# Altium PCB S3220B.PcbDoc (part 3 of 3)
Units mm, origin at the board's own origin, x right, y up, seen from the top; angles counter-clockwise.
Board outline 147 x 62.5 mm, 4 copper layers (Top Layer, Internal 1, Internal 2, Bottom Layer), stack 1.41 mm thick; 235 components, 191 nets, 994 pads, 1141 vias.
Unrouted connection lines stored in the file: 237.
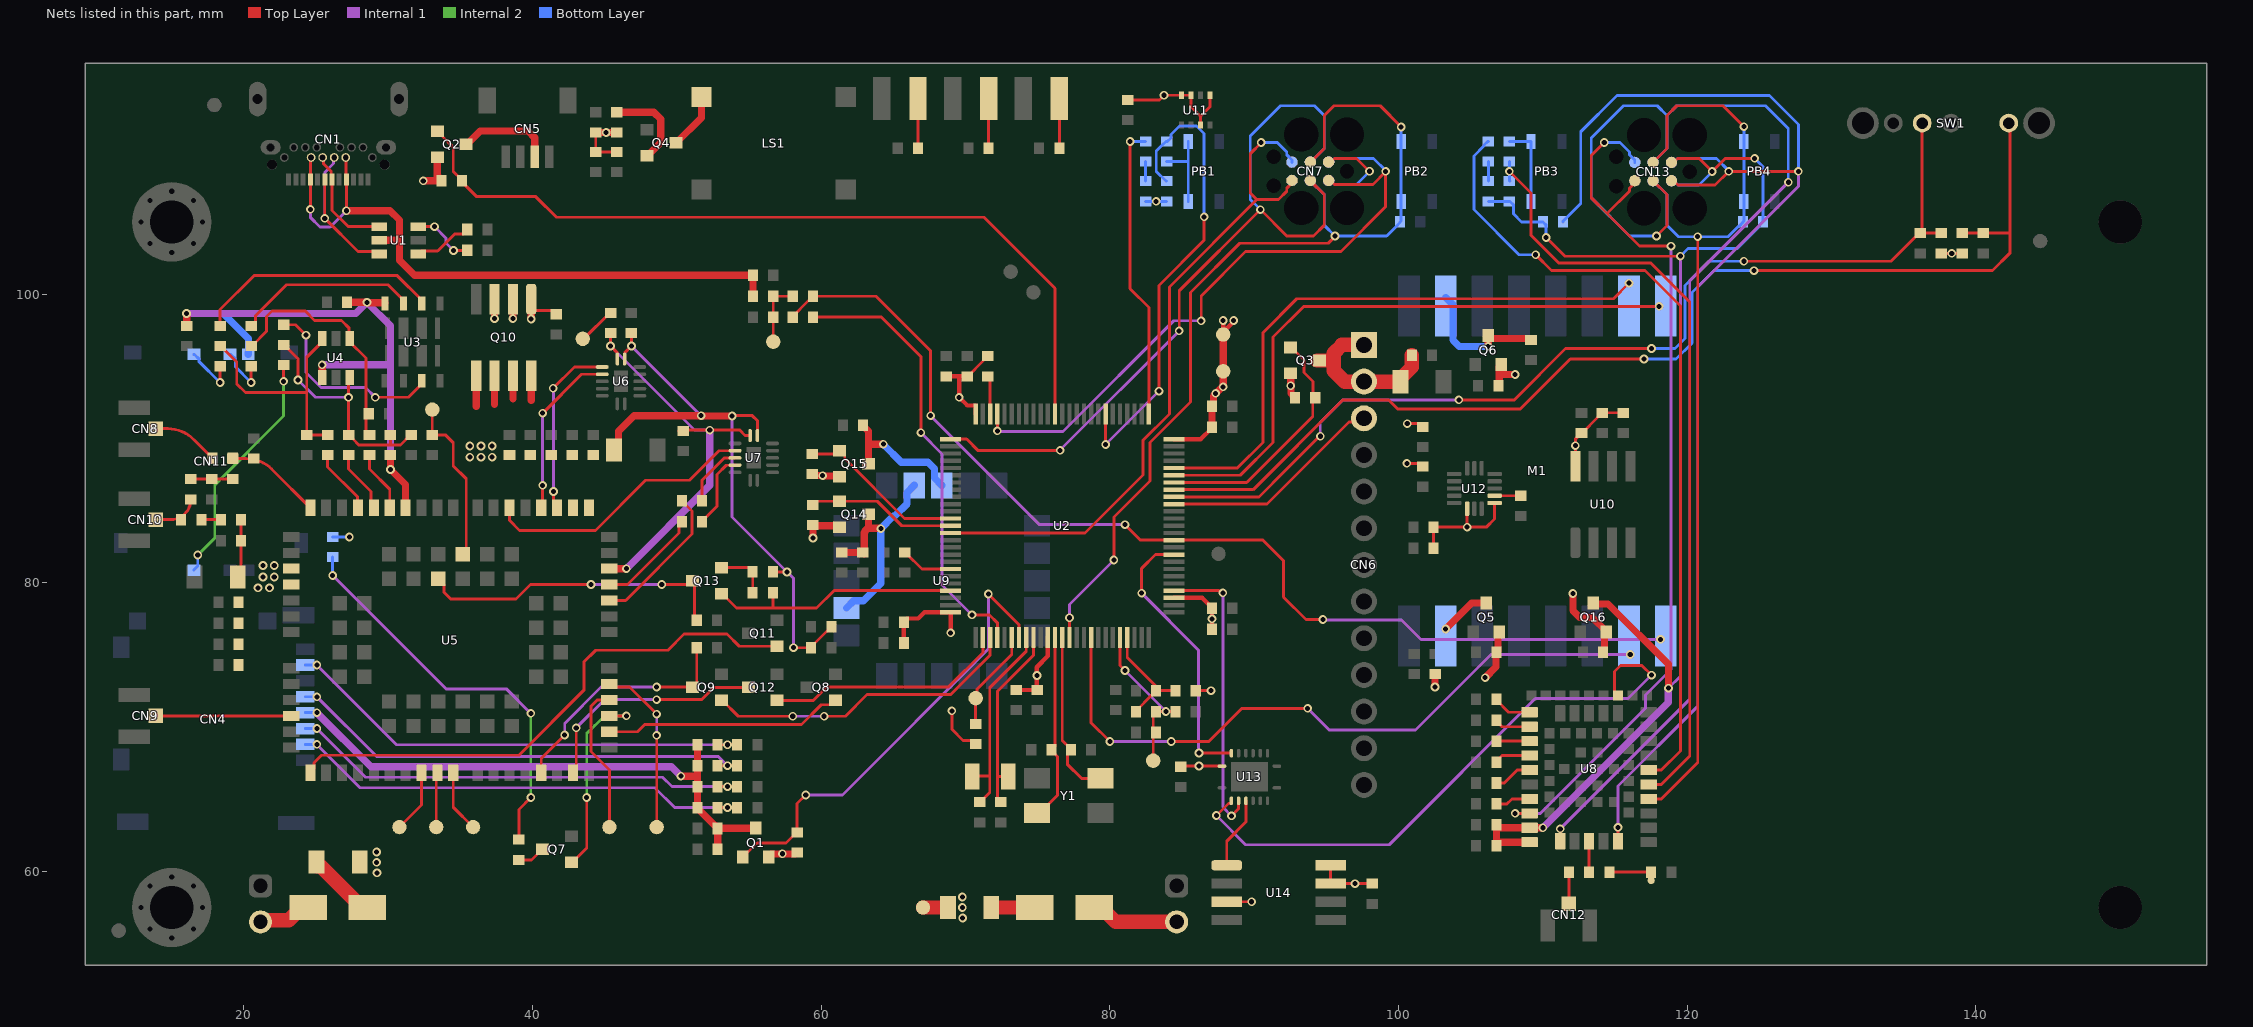
[diagram p5: the nets of this part, all layers, seen from the top]

## Via types
v1: diameter 0.6, hole 0.35, Top Layer to Bottom Layer, tented both sides, 861 vias
v2: diameter 0.5, hole 0.35, Top Layer to Bottom Layer, tented both sides, 280 vias

## Nets (pads, with @x,y where several pads share a name; then routed paths per layer and width w, separated by ;. In a path a pad name is that pad's centre, name@x,y a point inside that pad or via, vN(x,y) a via of type N, cw(c..) or ccw(c..) an arc to the next point about the centre after c; other vN are vias at no path point) (continued)
nCPU_RST_RFID: CN6.3 U2.41 | length 15.6
  Top Layer w0.2: U2.41@84.438,85.45 90.875,85.45 96.561,91.136 97.341,91.136 CN6.3@97.6,91.395
NetAN1_1: AN1.1 C49.2 R64.1 | length 3.5
  Top Layer w0.2: R64.1@114.6,59.95 C49.2@117.5,59.95 AN1.1@117.5,59.375
NetC1_2: C1.2 C2.2 CN4.4 Q1.3 R11.2 R12.2 R13.2 R14.2 | length 39.5
  Top Layer w0.5: v1(50.275,66.6) 51.425,66.6 ; R12.2@51.425,68.775 R14.2@51.425,67.325 51.425,66.6 ; C2.2@52.825,61.525 C1.2@52.825,62.975 ; Q1.3@55.475,63 55.463,62.988 52.838,62.988 C1.2@52.825,62.975 ; 51.425,66.6 R13.2@51.425,65.875 R11.2@51.425,64.425 51.425,64.375 52.675,63.125 52.725,63.125 52.825,63.025 C1.2@52.825,62.975
  Internal 1 w0.5: v1(25.05,71) 28.8,67.25 49.625,67.25 v1(50.275,66.6)
  Bottom Layer w0.2: CN4.4@24.25,71 v1(25.05,71)
NetC5_2: C5.2 C6.2 CN6.1 CN6.2 Q3.3 | length 11.5
  Top Layer w1: Q3.3@94.375,95.4 95.425,95.4 95.5,95.325 ; CN6.2@97.599,93.934 96.266,93.934 95.5,94.7 95.5,95.325 ; CN6.2@97.6,93.935 100.115,93.935 C5.2@100.125,93.925 ; CN6.1@97.6,96.475 96.075,96.475 95.5,95.9 95.5,95.325 ; C5.2@100.175,94.2 100.175,94.225 100.2,94.225 100.925,94.95 C6.2@100.925,95.775
NetC8_2: C8.2 U2.12 Y1.1 | length 13.1
  Top Layer w0.2: Y1.1@74.95,64.05 75.15,64.05 76.375,65.275 76.375,67.95 76.2,68.125 76.2,68.175 C8.2@75.95,68.425 76.2,68.675 U2.12@76.2,76.212
NetC9_2: C9.2 U2.13 Y1.3 | length 11.9
  Top Layer w0.2: U2.13@76.7,76.212 76.7,69.075 C9.2@77.3,68.475 ; C9.2@77.3,68.425 77.05,68.175 77.05,67.425 78.025,66.45 Y1.3@79.475,66.45
NetC10_2: C10.2 U2.8 Y2.1 | length 14
  Top Layer w0.2: Y2.1@70.45,66.575 70.475,66.6 71.675,66.6 ; C10.2@70.975,64.8 71.025,64.8 71.275,65.05 71.275,65.075 71.675,65.475 71.675,66.6 ; U2.8@74.2,76.212 74.2,75.25 71.675,72.725 71.675,66.6
NetC11_2: C11.2 U2.9 Y2.2 | length 13.2
  Top Layer w0.2: C11.2@72.2,64.805 72.2,66.575 ; Y2.2@72.95,66.575 72.2,66.575 ; U2.9@74.7,76.212 74.7,74.975 72.2,72.475 72.2,66.575
NetC28_1: C28.1 C30.2 R45.2 | length 2.9
  Top Layer w0.2: C28.1@16.325,87.175 16.35,87.2 R45.2@19.225,87.2
NetC28_2: C28.2 CN10.S L1.2 | length 3.2
  Top Layer w0.2: CN10.S@13.9,84.375 14.925,84.375 ccw(c14.925,85.775) C28.2@16.325,85.775
NetC29_2: C29.2 R43.1 R45.1 U5.49 | length 6.7
  Top Layer w0.2: R45.1@19.225,88.6 20.148,88.6 cw(c20.148,86.06) 21.944,87.856 U5.49@24.6,85.2
NetC37_2: C37.2 R46.2 R50.2 R51.1 R53.2 U4.3 | length 16.5
  Top Layer w0.2: R51.1@22.75,96.475 22.8,96.475 23.75,95.525 v1(23.75,94.05) ; U4.3@27.325,94.225 27.25,94.15 v1(27.25,92.85) R50.2@27.25,90.25 27.3,90.25 27.55,90 27.55,89.95 27.95,89.55 30.15,89.55 ; R53.2@30.15,90.25 30.15,89.55 ; C37.2@31.55,90.25 30.85,89.55 30.15,89.55
  Internal 1 w0.2: v1(23.75,94.05) 24.95,92.85 v1(27.25,92.85)
NetC38_2: C38.2 R44.2 R48.1 R49.2 U4.6 | length 16.8
  Top Layer w0.2: R44.2@18.35,96.4 18.4,96.4 19.5,95.3 19.5,93.775 20.1,93.175 24.35,93.175 ; U4.6@25.425,96.925 25.425,96.7 24.35,95.625 24.35,93.175 ; R49.2@25.8,90.25 C38.2@24.35,90.25 24.35,93.175
NetC39_2: C39.2 R42.2 R47.1 R52.2 U4.4 | length 16.9
  Top Layer w0.2: R42.2@20.5,96.4 20.55,96.4 21.575,97.425 21.575,98.45 21.95,98.825 24.25,98.825 24.9,98.175 26.75,98.175 27.292,97.633 27.292,96.958 U4.4@27.325,96.925 27.325,96.7 28.45,95.575 28.45,91.8 28.45,90.5 R52.2@28.7,90.25
NetC50_2: C50.2 C51.2 Q14.3 U9.2 U9.17 | length 16.1
  Top Layer w0.5: C51.2@61.425,82.1 C50.2@62.875,82.1 ; C50.2@62.975,82 62.975,83.477 63.05,83.552 63.05,83.627 63.275,83.852 ; Q14.3@63.275,84.75 63.275,83.852 ; v1(64.125,83.75) 64.106,83.769 63.358,83.769 63.275,83.852
  Bottom Layer w0.5: U9.17@61.75,78.25 62.25,78.75 62.925,78.75 64.125,79.95 v1@64.125,83.725 ; v1(64.125,83.75) 64.994,84.619 65.094,84.619 65.95,85.475 65.95,86.25 U9.2@66.45,86.75
NetC52_2: C52.2 Q15.3 U9.3 | length 9.4
  Top Layer w0.5: C52.2@62.9,90.925 62.9,90.875 63.275,90.5 63.275,89.6 ; Q15.3@63.275,88.25 63.275,89.6 ; v1(64.3,89.6) 63.275,89.6
  Bottom Layer w0.5: v1@64.319,89.581 65.55,88.35 67.4,88.35 67.85,87.9 67.85,87.25 U9.3@68.35,86.75
NetC59_1: C59.1 U12.2 | length 1.8
  Top Layer w0.2: U12.2@106.65,86.029 C59.1@108.475,86.029
NetCN2_2: CN2.2 D1.A | length 6.1
  Top Layer w1: D1.A@78.9,57.5 79.25,57.15 79.75,57.15 80.4,56.5 CN2.2@84.625,56.5
NetCN3_2: CN3.2 D2.A | length 3.7
  Top Layer w1: CN3.2@21.15,56.5 21.265,56.615 23.115,56.615 24,57.5 D2.A@24.45,57.5
NetCN4_2: CN4.2 R11.1 R20.2 | length 32.4
  Top Layer w0.2: R11.1@52.825,64.425 v1(53.5,64.425) R20.2@54.175,64.425
  Internal 1 w0.2: v1(25.05,68.8) 28.05,65.8 48.475,65.8 ; 48.491,65.784 49.85,64.425 v1(53.5,64.425)
  Bottom Layer w0.2: CN4.2@24.25,68.8 v1(25.05,68.8)
NetCN4_3: CN4.3 R13.1 R18.2 | length 32.3
  Top Layer w0.2: R13.1@52.825,65.875 v1(53.5,65.875) R18.2@54.175,65.875
  Internal 1 w0.2: v1(25.05,69.9) 28.425,66.525 49,66.525 49.65,65.875 v1(53.5,65.875)
  Bottom Layer w0.2: CN4.3@24.25,69.9 v1(25.05,69.9)
NetCN4_5: CN4.5 R14.1 R17.2 | length 32.6
  Top Layer w0.2: R14.1@52.825,67.325 v1(53.5,67.325) R17.2@54.175,67.325
  Internal 1 w0.2: v1(25.05,72.1) 29.175,67.975 52.85,67.975 v1(53.5,67.325)
  Bottom Layer w0.2: CN4.5@24.25,72.1 v1(25.05,72.1)
NetCN4_7: CN4.7 R12.1 R19.2 | length 32.9
  Top Layer w0.2: R12.1@52.825,68.775 v1(53.5,68.775) R19.2@54.175,68.775
  Internal 1 w0.2: v1(25.05,74.3) 30.575,68.775 v1(53.5,68.775)
  Bottom Layer w0.2: CN4.7@24.25,74.3 v1(25.05,74.3)
NetCN8_S: CN8.S R43.2 | length 4.7
  Top Layer w0.2: CN8.S@13.9,90.675 14.723,90.675 cw(c14.723,88.135) 16.519,89.931 R43.2@17.825,88.625
NetCN9_S: CN9.S U5.60 | length 9.4
  Top Layer w0.2: CN9.S@13.9,70.775 U5.60@23.275,70.775
NetCN11_C2: CN11.C2 R47.2 | length 3.7
  Top Layer w0.2: v1(20.5,93.875) R47.2@20.5,95
  Bottom Layer w0.2: CN11.C2@19.05,95.825 19.1,95.825 19.4,95.525 19.4,94.975 v1(20.5,93.875)
NetCN11_C3: CN11.C3 R48.2 | length 3.9
  Top Layer w0.2: R48.2@18.328,94.978 R48.2@18.35,95 v1(18.35,93.875)
  Bottom Layer w0.2: CN11.C3@16.525,95.825 16.575,95.825 16.875,95.525 16.875,95.35 v1(18.35,93.875)
NetCN11_C7: CN11.C7 R51.2 | length 16.8
  Top Layer w0.2: v1(22.75,93.95) R51.2@22.75,95.075
  Internal 2 w0.2: v1(16.8,81.925) 17.975,83.1 17.975,86.775 22.75,91.55 v1@22.75,93.925 ; v1(22.75,93.95) v1@22.75,93.975
  Bottom Layer w0.2: CN11.C7@16.525,80.875 16.8,81.15 v1(16.8,81.925)
NetCN12_S: CN12.S R65.2 | length 2.2
  Top Layer w0.2: CN12.S@111.8,57.75 R65.2@111.8,59.95
NetD1_K: D1.K F1.2 | length 3
  Top Layer w1: F1.2@71.775,57.5 D1.K@74.8,57.5
NetD2_K: D2.K F2.2 | length 5
  Top Layer w1: F2.2@25.025,60.65 25.025,60.4 25.075,60.35 25.325,60.35 27.75,57.925 27.75,57.85 28.1,57.5 D2.K@28.55,57.5
NetD3_2: D3.2 R22.1 | length 3.4
  Top Layer w0.2: R22.1@71.6,110.1 D3.2@71.6,113.55
NetD4_2: D4.2 R23.1 | length 3.5
  Top Layer w0.2: R23.1@76.5,110.1 D4.2@76.5,113.55
NetD5_2: D5.2 R24.1 | length 3.4
  Top Layer w0.2: R24.1@66.7,110.1 D5.2@66.7,113.55
NetD6_1: D6.1 R28.1 | length 1.3
  Bottom Layer w0.2: R28.1@82.475,107.825 D6.1@82.475,109.175
NetD7_2: D7.2 TP9.1 U5.75 | length 11.6
  Top Layer w0.2: TP9.1@33.05,92 D7.2@33.05,90.25 33.95,90.25 34.5,89.7 34.5,88.1 35.4,87.2 35.4,82.275 35.375,82.25 35.4,82.225 U5.75@35.15,81.975
NetD8_2: D8.2 R55.2 | length 28
  Top Layer w0.2: R55.2@39.05,62.2 39.05,64.3 v1(39.875,65.125)
  Internal 1 w0.2: v1(26.15,80.5) 34,72.65 38.175,72.65 v1(39.875,70.95)
  Internal 2 w0.2: v1(39.875,65.125) v1(39.875,70.95)
  Bottom Layer w0.2: v1(26.15,80.5) D8.2@26.15,81.775
NetD9_1: D9.1 R76.1 | length 1.3
  Bottom Layer w0.2: R76.1@106.225,107.825 D9.1@106.225,109.175
NetL1_1: L1.1 R41.2 | length 1.3
  Top Layer w0.2: L1.1@17.05,84.375 R41.2@18.4,84.375
NETLIGHT_BG95: Q7.1 U5.21 | length 13.8
  Top Layer w0.2: Q7.1@42.7,60.625 42.75,60.625 43.75,61.625 v1(43.75,65.125) ; U5.21@45.325,70.775 v1(46.5,70.775)
  Internal 2 w0.2: v1(43.75,65.125) 43.75,69.55 44.975,70.775 v1(46.5,70.775)
NetLS1_1: LS1.1 Q4.3 | length 3.9
  Top Layer w0.5: Q4.3@49.975,110.5 51.7,112.225 LS1.1@51.7,113.65
NetPB1_1: PB1.1 R32.1 | length 5.7
  Bottom Layer w0.2: R32.1@83.925,109.175 85.4,109.175 85.425,109.2 ; PB1.1@85.425,106.425 85.425,109.2 ; PB1.1@85.425,110.575 85.425,109.2
NetPB3_1: PB3.1 R77.1 | length 5.7
  Bottom Layer w0.2: R77.1@107.675,110.575 PB3.1@109.175,110.575 PB3.1@109.175,106.425
NetQ4_2: Q4.2 R26.2 | length 6.1
  Top Layer w0.5: R26.2@45.825,112.6 48.367,112.6 ; Q4.2@47.975,109.6 48.875,110.5 48.875,112.125 48.4,112.6
NetQ7_3: Q7.3 R55.1 | length 2
  Top Layer w0.2: R55.1@39.05,60.8 39.925,60.8 40.65,61.525 Q7.3@40.7,61.525
NetQ13_2: Q13.2 R59.2 R61.2 | length 3.8
  Top Layer w0.2: Q13.2@53.075,81.05 55,81.05 55.25,80.8 R59.2@55.25,80.75 R61.2@55.25,79.3
NetR1_1: R1.1 R4.2 R5.2 TP2.1 | length 4.5
  Top Layer w0.2: TP2.1@56.675,96.7 R5.2@56.675,98.4 R1.1@56.675,99.85 R4.2@58.025,99.85
NetR33_1: R33.1 U2.73 | length 2.7
  Top Layer w0.2: R33.1@71.55,94.3 71.7,94.15 U2.73@71.7,91.688
NetR34_2: R34.2 U2.94 | length 3.5
  Top Layer w0.2: R34.2@65.75,82.1 R34.2@65.775,82.125 ; R34.2@65.925,82 66.975,80.95 U2.94@68.962,80.95
NetR38_2: R38.2 TP6.1 U2.6 | length 7
  Top Layer w0.2: R38.2@70.7,70.275 TP6.1@70.7,72 70.803,72.103 70.803,72.628 73.2,75.025 U2.6@73.2,76.212
NetR42_1: R42.1 U3.C2 | length 12.7
  Top Layer w0.2: R42.1@20.5,97.8 20.55,97.8 20.8,98.05 20.8,98.5 22.95,100.65 29.975,100.65 30.895,99.73 30.9,99.73 31.05,99.58 U3.C2@31.05,99.35
NetR44_1: R44.1 U3.C3 | length 17
  Top Layer w0.2: R44.1@18.35,97.8 18.35,98.925 20.7,101.275 30.625,101.275 32.32,99.58 U3.C3@32.32,99.35
NetR46_1: R46.1 U3.C7 | length 13.8
  Top Layer w0.2: R46.1@22.75,97.875 23.575,97.875 v1(24.3,97.15) ; v1@29.075,92.85 v1(29.1,92.85) 31.4,92.85 32.32,93.77 U3.C7@32.32,94
  Internal 1 w0.2: v1(24.3,97.15) 24.3,94.575 25.35,93.525 28.425,93.525 v1(29.1,92.85)
NetR49_1: R49.1 U5.46 | length 4.5
  Top Layer w0.2: R49.1@25.8,88.85 25.8,88.025 27.867,85.958 27.867,85.233 U5.46@27.9,85.2
NetR50_1: R50.1 U5.45 | length 4.4
  Top Layer w0.2: R50.1@27.25,88.85 27.25,87.875 28.8,86.325 28.8,85.4 U5.45@29,85.2
NetR52_1: R52.1 U5.44 | length 4.2
  Top Layer w0.2: R52.1@28.7,88.85 28.7,87.875 30.1,86.475 U5.44@30.1,85.2
NetR54_2: R54.2 TP8.1 | length 2.7
  Top Layer w0.2: TP8.1@43.475,96.9 43.55,96.9 45.35,98.7 R54.2@45.4,98.7
NetR56_2: R56.2 U7.4 | length 4.4
  Top Layer w0.2: R56.2@51.75,85.675 51.75,87.125 53.274,88.649 U7.4@54.027,88.649
NetR57_2: R57.2 U7.5 | length 5.2
  Top Layer w0.2: R57.2@51.75,84.225 51.75,84.275 52.775,85.3 52.775,87.5 53.415,88.14 54.017,88.14 U7.5@54.027,88.149
NetR64_2: R64.2 R65.1 U8.13 | length 2.2
  Top Layer w0.2: R64.2@113.2,59.95 U8.13@113.2,62.1
NetR68_2: R68.2 U8.1 | length 2.7
  Top Layer w0.2: R68.2@106.775,71.925 106.775,71.875 107.625,71.025 U8.1@109.075,71.025
NetR69_2: R69.2 U8.2 | length 2.5
  Top Layer w0.2: R69.2@106.775,70.475 106.775,70.425 107.175,70.025 U8.2@109.075,70.025
NetR70_2: R70.2 U8.3 | length 2.3
  Top Layer w0.2: R70.2@106.775,69.025 U8.3@109.075,69.025
NetR71_2: R71.2 U8.4 | length 2.5
  Top Layer w0.2: R71.2@106.775,67.575 106.775,67.625 107.175,68.025 U8.4@109.075,68.025
NetR72_2: R72.2 U8.5 | length 2.7
  Top Layer w0.2: R72.2@106.775,66.125 107.325,66.125 108.225,67.025 U8.5@109.075,67.025
NetR73_2: R73.2 U8.7 | length 2.4
  Top Layer w0.2: R73.2@106.775,64.675 107.5,64.675 107.85,65.025 U8.7@109.075,65.025
NetTP10_1: TP10.1 U5.8 | length 4.4
  Top Layer w0.2: TP10.1@30.775,63.075 32.3,64.6 U5.8@32.3,66.85
NetTP11_1: TP11.1 U5.9 | length 3.8
  Top Layer w0.2: TP11.1@33.325,63.075 33.325,66.775 U5.9@33.4,66.85
NetTP12_1: TP12.1 U5.10 | length 4.3
  Top Layer w0.2: U5.10@34.5,66.85 34.5,64.45 TP12.1@35.875,63.075
NetTP13_1: TP13.1 U5.22 | length 10.4
  Top Layer w0.2: TP13.1@45.325,63.075 45.325,67.025 44.05,68.3 44.05,71.45 44.475,71.875 U5.22@45.325,71.875
NetTP14_1: TP14.1 U5.23 | length 12
  Top Layer w0.2: U5.23@45.325,72.975 45.525,72.775 46.725,72.775 v1(48.6,70.9) ; TP14.1@48.6,63.075 v1(48.6,69.425)
  Internal 1 w0.2: v1(48.6,69.425) v1(48.6,70.9)
nFLASH_CS: U13.4 U14.1 | length 5
  Top Layer w0.2: U14.1@88.092,60.425 88.092,62.092 89.417,63.417 U13.4@89.417,64.894
nFLASH_CS_BLE: U8.49 U13.2 | length 42.2
  Top Layer w0.2: v1(87.375,63.875) 88.207,64.707 88.399,64.707 88.417,64.725 U13.2@88.417,64.894 ; U8.49@115.2,72.175 114.95,72.425 114.95,73.85 115.375,74.275 116.85,74.275 v1(117.525,73.6)
  Internal 1 w0.2: v1(87.375,63.875) 89.4,61.85 99.35,61.85 109.475,71.975 115.9,71.975 v1(117.525,73.6)
nFLASH_CS_CPU: U2.29 U13.3 | length 20.4
  Top Layer w0.2: U2.29@84.438,79.45 87.567,79.45 87.717,79.3 v1(87.825,79.3) ; v1(88.425,63.85) 88.917,64.342 U13.3@88.917,64.894
  Internal 1 w0.2: v1(87.825,79.3) 87.825,64.45 v1(88.425,63.85)
nGPS_BCKP_CTRL: Q15.1 R67.1 U2.87 | length 11.8
  Top Layer w0.2: R67.1@59.375,88.925 61.05,88.925 Q15.1@61.275,89.15 61.325,89.15 61.625,88.85 61.625,88.6 65.775,84.45 U2.87@68.962,84.45
nGPS_PWR_CTRL: Q14.1 R66.1 U2.88 | length 10.3
  Top Layer w0.2: R66.1@59.425,85.4 59.675,85.65 63.875,85.65 65.575,83.95 U2.88@68.962,83.95
nLED_BLE: D9.2 U8.21 | length 55.8
  Top Layer w0.2: v1(109.5,102.725) 110.6,101.625 117.075,101.625 119.525,99.175 119.525,68.35 118.2,67.025 ; U8.21@117.325,67.025 118.15,67.025
  Bottom Layer w0.2: D9.2@106.225,110.575 106.175,110.575 105.925,110.325 105.925,110.275 105.225,109.575 105.225,105.85 108.35,102.725 v1(109.5,102.725)
nLED_CPU: D6.2 U2.51 | length 20.5
  Top Layer w0.2: v1(81.4,110.575) 81.4,100.375 82.7,99.075 U2.51@82.7,91.688
  Internal 1 w0.2: v1(81.4,110.575) v1@81.413,110.562
  Bottom Layer w0.2: v1(81.4,110.575) D6.2@82.475,110.575
nMODEM_PON_TRIG: Q13.1 R61.1 U2.97 | length 17.9
  Top Layer w0.2: Q13.1@53.075,79.25 53.125,79.25 54.125,78.25 56.7,78.25 ; R61.1@56.65,79.3 56.65,78.3 56.7,78.25 ; U2.97@68.962,79.45 60.875,79.45 59.675,78.25 56.7,78.25
nMODEM_PWRKEY: Q9.1 U2.3 | length 22.1
  Top Layer w0.2: Q9.1@53.075,71.875 53.125,71.875 54.25,70.75 v1(58.025,70.75) ; v1(60.2,70.75) 61.675,70.75 63.175,72.25 68.975,72.25 71.7,74.975 U2.3@71.7,76.212
  Internal 1 w0.2: v1(58.025,70.75) v1(60.2,70.75)
nMODEM_RESET: Q12.1 U2.2 | length 16.4
  Top Layer w0.2: Q12.1@57.25,71.85 59.45,71.85 60.375,72.775 68.8,72.775 71.2,75.175 U2.2@71.2,76.212
nMUX_EN: U2.34 U13.15 | length 19.3
  Top Layer w0.2: v1(82.2,79.275) 82.2,81 83.15,81.95 U2.34@84.438,81.95 ; v1(86.175,68.2) U13.15@88.417,68.2
  Internal 1 w0.2: v1(82.2,79.275) 86.125,75.35 v1@86.125,68.194
nPB_BLE: R75.2 R77.2 U8.20 | length 54.5
  Top Layer w0.2: v1(107.675,108.5) 109.175,107 109.175,104.075 111.1,102.15 117.475,102.15 120.175,99.45 120.175,68 118.2,66.025 U8.20@117.325,66.025
  Bottom Layer w0.2: R77.2@107.675,109.175 v1(107.675,108.5) R75.2@107.675,107.825 R75.2@107.725,107.825
nPB_CPU: R27.2 R32.2 U2.57 | length 33.3
  Top Layer w0.2: v1(79.7,89.575) U2.57@79.7,91.688 ; v1(83.4,93.275) 83.4,100.6 86.525,103.725 v1(86.525,105.35)
  Internal 1 w0.2: v1(79.7,89.575) v1(83.4,93.275)
  Bottom Layer w0.2: R27.2@83.925,107.825 83.875,107.825 83.21,108.49 83.21,109.91 83.625,110.325 83.875,110.575 R32.2@83.925,110.575 83.975,110.575 84.225,110.825 84.225,111.05 84.825,111.65 86,111.65 86.525,111.125 v1(86.525,105.35)
nPWRKEY_BG95: C47.2 Q9.3 U5.15 | length 16.8
  Top Layer w0.2: U5.15@40.6,66.85 40.6,67.825 v1(42.225,69.45) ; v1(48.6,72.775) Q9.3@51.075,72.775 51.375,73.075 C47.2@51.375,75.5
  Internal 1 w0.2: v1(42.225,69.45) 42.225,70.25 44.75,72.775 v1(48.6,72.775)
nRESET: CN13.3 PB4.2 R78.1 U8.19 | length 66.9
  Top Layer w0.2: U8.19@117.325,65.025 118.2,65.025 120.725,67.55 v1(120.725,103.975) ; CN13.3@117.635,109.125 118.6,110.09 118.6,112.375 119.275,113.05 122.475,113.05 v1(123.925,111.6)
  Bottom Layer w0.2: CN13.3@117.635,107.855 118.6,106.89 118.6,104.775 119.4,103.975 122.825,103.975 123.55,104.7 123.6,104.7 123.85,104.95 R78.1@123.85,105 123.925,105.075 PB4.2@123.925,106.425 PB4.2@123.925,110.575 v1(123.925,111.6)
nRESET_BG95: Q12.3 U5.17 | length 16.6
  Top Layer w0.2: U5.17@42.8,66.85 43.025,67.075 v1(43.025,69.95) ; v1(48.6,71.9) 51.7,71.9 52.55,72.75 Q12.3@55.25,72.75
  Internal 1 w0.2: v1(43.025,69.95) 44.975,71.9 v1(48.6,71.9)
nRFID_PWR_CTRL: Q3.1 R21.2 U2.44 | length 17
  Top Layer w0.2: U2.44@84.438,86.95 89.475,86.95 94.05,91.525 R21.2@94.05,92.854 ; Q3.1@92.525,96.3 92.575,96.3 93.45,95.425 93.45,94.575 94.075,93.95 R21.2@94.075,92.825
nRST_CPU: C7.2 CN7.3 PB2.2 U2.14 | length 65
  Top Layer w0.2: U2.14@77.2,76.212 v1@77.2,77.475 ; v1(80.275,81.575) 80.275,84.55 82.775,87.05 82.775,89.725 85.575,92.525 85.575,100.1 89,103.525 95.125,103.525 v1@95.625,104.025 ; CN7.3@93.885,109.125 94.85,110.09 94.85,112.375 95.525,113.05 98.725,113.05 v1@100.175,111.6
  Internal 1 w0.2: v1(77.2,77.575) 77.2,78.5 v1(80.275,81.575) ; v1@95.55,103.975 v1(95.6,104.025)
  Bottom Layer w0.2: CN7.3@93.885,107.855 94.85,106.89 94.85,104.775 v1(95.6,104.025) 99.175,104.025 99.85,104.7 100.1,104.95 C7.2@100.1,105 100.175,105.075 PB2.2@100.175,110.575 v1@100.175,111.6
  other v1: 100.175,111.575
nSD_PWR_CTRL: Q1.1 R7.2 U2.7 | length 31.9
  Top Layer w0.2: Q1.1@54.575,61 54.575,61.05 54.875,61.35 54.925,61.35 55.55,61.975 57.55,61.975 58.275,62.7 R7.2@58.325,62.7 58.325,64.7 v1(58.925,65.3) ; v1(71.575,79.225) 73.688,77.112 73.688,76.224 U2.7@73.7,76.212
  Internal 1 w0.2: v1(58.925,65.3) 61.475,65.3 71.575,75.4 v1(71.575,79.225)
nSWITCH_1: C3.2 R8.1 SW1.1 U2.43 | length 79.6
  Top Layer w0.2: U2.43@84.438,86.45 89.925,86.45 96.15,92.675 99.3,92.675 99.925,92.05 108.45,92.05 111.9,95.5 v1(117,95.5) ; v1(124.625,101.625) 141.15,101.625 142.35,102.825 142.35,104.225 ; R8.1@139.05,104.225 C3.2@140.5,104.225 142.35,104.225 ; SW1.1@142.275,111.85 142.35,111.775 142.35,104.225
  Bottom Layer w0.2: v1(117,95.5) 119.225,95.5 120.325,96.6 120.325,100.1 121.85,101.625 v1(124.625,101.625)
nSWITCH_2: C4.2 R9.1 SW1.3 U2.42 | length 70.9
  Top Layer w0.2: U2.42@84.438,85.95 90.325,85.95 92.175,87.8 v1@94.525,90.15 ; v1(104.175,92.675) 108.025,92.675 111.575,96.225 v1(117.525,96.225) ; v1(123.925,102.275) 134.125,102.275 135.825,103.975 135.9,103.975 C4.2@136.15,104.225 ; SW1.3@136.275,111.85 136.275,104.225 R9.1@137.6,104.225
  Internal 1 w0.2: v1(94.575,90.15) 94.575,91.1 96.15,92.675 v1(104.175,92.675)
  Bottom Layer w0.2: v1(117.525,96.225) 119.15,96.225 119.85,96.925 119.85,100.6 121.525,102.275 v1(123.925,102.275)
PC2: M1.10 U2.17 | length 47.5
  Top Layer w0.2: U2.17@78.7,76.212 78.7,70.3 v1(80,69) ; v1(84.25,69) 86.85,69 89.15,71.3 v1(93.7,71.3)
  Internal 1 w0.2: v1(80,69) v1(84.25,69) ; v1(93.7,71.3) 95.2,69.8 101.175,69.8 106.4,75.025 v1(116.05,75.025)
PE14: M1.8 U2.45 | length 42.7
  Top Layer w0.2: U2.45@84.438,87.45 89.032,87.45 91.3,89.718 91.3,97.025 93.425,99.15 v1(118.05,99.15)
PE15: M1.7 U2.46 | length 41.3
  Top Layer w0.2: U2.46@84.438,87.95 88.825,87.95 90.6,89.725 90.6,97.325 92.95,99.675 114.88,99.675 v1(115.965,100.76)
PON_TRIG_BG95: Q13.3 R63.1 U5.96 | length 21.6
  Top Layer w0.2: U5.96@33.45,80.275 33.85,79.875 33.85,79.35 34.325,78.875 38.85,78.875 39.85,79.875 v1(44.05,79.875) ; v1(48.95,79.875) 51.217,79.875 51.217,77.558 R63.1@51.375,77.4
  Internal 1 w0.2: v1(44.05,79.875) v1(48.95,79.875)
PSM_IND_BG95: Q11.1 U5.1 | length 38.1
  Top Layer w0.2: U5.1@24.6,66.85 24.85,67.1 24.85,67.525 25.375,68.05 39.05,68.05 43.55,72.55 43.55,74.5 44.375,75.325 49.375,75.325 50.5,76.45 53.475,76.45 54.325,75.6 Q11.1@56.95,75.6
QWIIC_PWR_CTRL: Q2.1 R10.1 U2.64 | length 57.2
  Top Layer w0.2: Q2.1@33.4,111.275 33.45,111.275 33.75,110.975 33.75,110.925 34.5,110.175 34.5,108.5 R10.1@35.1,107.9 ; R10.1@35.025,107.85 R10.1@35.062,107.813 ; R10.1@35.05,107.8 R10.1@35.063,107.813 ; R10.1@35.1,107.85 R10.1@35.063,107.813 ; U2.64@76.2,91.688 76.2,100.4 71.275,105.325 41.65,105.325 40.225,106.75 36.125,106.75 R10.1@35.063,107.813
QWIIC_VDD: CN5.2 Q2.3 | length 6.6
  Top Layer w0.5: Q2.3@35.4,110.375 35.45,110.375 36.375,111.3 39.675,111.3 40.15,110.825 CN5.2@40.15,109.525
RTS_BG95: U5.37 U7.3 | length 19.1
  Top Layer w0.2: U5.37@38.4,85.2 38.4,84.325 39.1,83.625 44.35,83.625 47.825,87.1 50.867,87.1 52.917,89.149 U7.3@54.027,89.149
RXD_BG95: U5.34 U6.2 | length 12.4
  Top Layer w0.2: v1(41.425,93.475) 42.9,94.95 U6.2@44.825,94.95 ; v1(41.45,86.325) 41.45,85.45 U5.34@41.7,85.2
  Internal 1 w0.2: v1(41.425,93.475) 41.438,93.462 41.438,86.337 v1(41.45,86.325)
RXD_GNSS_BG95: R57.1 U5.28 | length 7
  Top Layer w0.2: U5.28@45.325,79.875 46.575,79.875 50.15,83.45 50.15,83.925 50.256,84.031 R57.1@50.356,84.031
STATUS_BG95: Q8.1 U5.20 | length 16.6
  Top Layer w0.2: U5.20@45.325,69.675 47.275,69.675 47.775,70.175 58.625,70.175 60,71.55 60.7,71.55 Q8.1@61,71.85
SWDCLK: CN13.4 U8.11 | length 89.7
  Top Layer w0.2: U8.11@111.2,62.1 v1(111.2,62.95) ; CN13.4@117.635,107.855 118.6,106.89 118.6,104.75 v1(117.875,104.025)
  Internal 1 w0.2: v1(111.2,62.95) 120.175,71.925 120.175,100.925 v1(127,107.75)
  Bottom Layer w0.2: CN13.4@117.635,109.125 118.6,110.09 118.6,112.375 ; v1(117.875,104.025) 116,104.025 113.35,106.675 113.35,110.825 115.575,113.05 117.925,113.05 118.6,112.375 ; v1(127,107.75) 127,111.475 125.425,113.05 119.275,113.05 118.6,112.375
SWDCLK_CPU: CN7.4 U2.76 | length 54.6
  Top Layer w0.2: U2.76@68.962,89.95 70.075,89.95 70.875,89.15 76.525,89.15 v1(76.55,89.175) ; v1(84.8,97.45) 84.8,100.225 v1@90.429,105.854 ; v1(90.425,105.85) 92.25,104.025 94.1,104.025 94.85,104.775 94.85,106.89 CN7.4@93.885,107.855
  Internal 1 w0.2: v1(76.55,89.175) 76.55,89.188 84.8,97.437 v1(84.8,97.45)
  Bottom Layer w0.2: v1(90.425,105.85) 89.725,106.55 89.725,110.95 91.825,113.05 94.175,113.05 94.85,112.375 94.85,110.09 CN7.4@93.885,109.125
SWDIO: CN13.2 R79.1 U8.15 | length 92
  Top Layer w0.2: U8.15@115.2,62.1 v1@115.2,63.025 ; CN13.2@119.036,107.825 119.075,107.825 119.35,107.55 121.925,107.55 v1(122.875,108.5) v1(127.7,108.5)
  Internal 1 w0.2: v1(115.2,63.05) 115.2,65.925 120.725,71.45 120.725,100.5 127.7,107.475 v1(127.7,108.5)
  Bottom Layer w0.2: R79.1@111.4,105 111.4,105.05 112.625,106.275 112.625,111.25 115.125,113.75 125.7,113.75 127.7,111.75 v1(127.7,108.5) ; CN13.2@119.036,109.125 119.316,109.405 122.02,109.405 122.875,108.55 v1(122.875,108.5)
SWDIO_CPU: CN7.2 U2.72 | length 46.6
  Top Layer w0.2: v1(72.2,90.525) U2.72@72.2,91.688 ; v1(86.325,98.15) 86.325,99.875 89.4,102.95 96,102.95 99.1,106.05 v1@99.1,108.475 ; CN7.2@95.286,107.825 95.341,107.825 95.566,107.6 98.225,107.6 v1@99.1,108.475 ; v1(99.1,108.5) v1@99.1,108.475
  Internal 1 w0.2: v1(72.2,90.525) 72.25,90.475 76.75,90.475 84.425,98.15 v1(86.325,98.15)
  Bottom Layer w0.2: CN7.2@95.286,109.125 95.566,109.405 98.27,109.405 99.125,108.55 v1@99.125,108.5
SWO: CN13.6 U8.8 | length 62.9
  Top Layer w0.2: v1(108.075,64.025) U8.8@109.075,64.025 ; v1(114.25,110.5) 113.35,109.6 113.35,106.675 114.448,105.577 ; CN13.6@116.365,107.855 116.365,107.696 116,107.331 116,107.13 114.448,105.577 ; v1(118.875,103.325) 116.7,103.325 114.448,105.577
  Internal 1 w0.2: v1(108.075,64.025) 109.825,64.025 117.1,71.3 117.1,72.225 118.875,74 v1(118.875,103.325)
  Bottom Layer w0.2: v1@114.2,110.5 v1(114.25,110.5) 115.35,110.5 116,109.85 116,109.649 116.365,109.284 CN13.6@116.365,109.125
SWO_CPU: CN7.6 U2.89 | length 47.9
  Top Layer w0.2: U2.89@68.962,83.45 78.275,83.45 82.3,87.475 82.3,89.875 84.125,91.7 84.125,100.5 90.175,106.55 ; v1@90.5,110.5 89.725,109.725 89.725,107 90.175,106.55 ; CN7.6@92.615,107.855 92.615,107.696 92.25,107.331 92.25,107.13 91.67,106.55 90.175,106.55
  Bottom Layer w0.2: v1@90.45,110.5 91.6,110.5 92.25,109.85 92.25,109.649 92.615,109.284 CN7.6@92.615,109.145 CN7.6@92.615,109.125
  other v1: 90.475,110.5
TXD_BG95: U5.35 U6.3 | length 11.8
  Top Layer w0.2: U5.35@40.6,85.2 40.7,85.3 v1(40.7,86.75) ; v1(40.7,91.75) 43.399,94.449 U6.3@44.827,94.449
  Internal 1 w0.2: v1(40.7,86.75) v1(40.7,91.75)
TXD_GNSS_BG95: R56.1 U5.27 | length 10.2
  Top Layer w0.2: U5.27@45.325,78.775 46.45,78.775 51.05,83.375 51.05,84.975 R56.1@50.35,85.675
USB_C_DM: CN1.A7 CN1.B7 U1.6 | length 11.9
  Top Layer w0.2: CN1.A7@25.6,107.925 v1(25.6,105.25) 27.9,102.95 29.2,102.95 U1.6@29.375,102.775
  Internal 1 w0.2: v1(25.6,105.25) 25.6,108.425 26.213,109.038 26.213,109.413 CN1.B7@26.25,109.45
USB_C_DP: CN1.A6 CN1.B6 U1.4 | length 7.6
  Top Layer w0.2: CN1.B6@25.45,109.45 25.527,109.373 25.527,109.023 26.05,108.5 CN1.A6@26.05,107.975 ; CN1.A6@26.1,107.925 26.1,105.8 27.225,104.675 U1.4@29.375,104.675
USB_DM: R30.1 U1.1 | length 4.1
  Top Layer w0.2: U1.1@32.075,102.775 32.275,102.975 32.617,102.975 33.425,102.975 34.625,104.175 35.225,104.175 35.475,104.425 R30.1@35.475,104.475
USB_DP: R31.1 U1.3 | length 4.3
  Top Layer w0.2: U1.3@32.075,104.675 v1(33.2,104.675) ; v1(34.525,103.025) R31.1@35.475,103.025
  Internal 1 w0.2: v1(33.2,104.675) 34,103.875 34,103.55 v1(34.525,103.025)
USB_INT: R3.1 U2.4 | length 30.9
  Top Layer w0.2: R3.1@59.425,98.4 64.15,98.4 ; 64.175,98.4 66.9,95.675 v1(66.9,90.4) ; v1(70.45,77.775) 71.65,77.775 72.2,77.225 U2.4@72.2,76.212
  Internal 1 w0.2: v1(66.9,90.4) 68.375,88.925 68.375,79.85 v1(70.45,77.775)
USIM_VDD: C26.2 C31.2 CN11.C1 R53.1 U3.C1 U4.1 U5.43 | length 44.5
  Top Layer w0.5: v1(16.025,98.65) 16.038,98.637 16.038,97.812 C31.2@16.05,97.8 ; U4.1@25.425,94.225 v1@25.425,95.075 ; C26.2@27.15,99.45 27.163,99.437 28.513,99.437 v1(28.525,99.425) 28.544,99.406 29.78,99.406 U3.C1@29.78,99.35 ; R53.1@30.15,88.85 v1(30.15,87.85) 31.2,86.8 U5.43@31.2,85.2
  Internal 1 w0.5: v1(16.025,98.65) 27.75,98.65 v1(28.525,99.425) 30.15,97.8 30.15,95.25 ; v1(25.425,95.1) 30,95.1 30.15,95.25 ; v1(30.15,87.85) 30.15,95.25
  Bottom Layer w0.5: v1(16.025,98.65) 18.575,98.65 20.313,96.913 20.313,95.975 20.3,95.962 CN11.C1@20.3,95.825
VBUS_AIN: M1.9 R3.2 R4.1 U2.36 | length 74.7
  Top Layer w0.2: R3.2@58.025,98.4 58.025,98.45 59.125,99.55 59.175,99.55 59.425,99.8 R4.1@59.425,99.85 63.775,99.85 ; 63.8,99.85 67.575,96.075 v1(67.575,91.575) ; v1(81.05,84.025) 82.125,82.95 U2.36@84.438,82.95 90.6,82.95 92.025,81.525 92.025,79 93.575,77.45 v1(94.75,77.45)
  Internal 1 w0.2: v1(67.575,91.575) 75.125,84.025 v1(81.05,84.025) ; v1(94.75,77.45) 94.775,77.425 100.2,77.425 101.55,76.075 v1(118.15,76.075)
VBUS_C: CN1.A4 CN1.A9 CN1.B4 CN1.B9 R1.2 R29.1 U1.5 | length 45.5
  Top Layer w0.2: v1@24.6,105.9 CN1.A9@24.6,107.925 ; CN1.A9@24.625,107.95 24.625,109.425 CN1.B4@24.65,109.45 ; CN1.B9@27.05,109.45 27.075,109.425 CN1.A4@27.075,107.95 ; v1(27.1,105.775) CN1.A4@27.1,107.925
  Top Layer w0.5: v1(27.1,105.775) 30.125,105.775 30.775,105.125 30.775,103.725 30.775,102.35 31.825,101.3 R29.1@55.275,101.3 R1.2@55.275,99.85 ; U1.5@29.375,103.725 30.75,103.725
  Internal 1 w0.2: v1(24.6,105.875) 24.6,105.325 25.275,104.65 25.975,104.65 v1(27.1,105.775)
VCC_M1: C25.2 M1.2 Q6.3 | length 9.6
  Top Layer w0.5: v1(106.21,96.375) Q6.3@106.21,97.075 ; Q6.3@106.21,97.125 Q6.3@106.21,97.075 ; C25.2@109.175,96.825 109.075,96.925 106.36,96.925 Q6.3@106.21,97.075
  Bottom Layer w0.5: M1.2@103.265,99.76 103.765,99.26 103.765,96.81 104.2,96.375 v1@106.225,96.375
VDD: C13.2 C14.2 C15.2 C16.2 C17.2 C18.2 C19.2 C20.2 C21.2 C22.2 C55.1 C56.2 C57.2 C58.1 C60.1 C61.2 CN7.1 F1.1 F2.1 FB1.2 Q1.2 Q2.2 Q3.2 Q5.2 Q6.2 Q10.1 Q10.2 Q10.3 Q14.2 Q15.2 Q16.2 R2.2 R7.1 R8.2 R9.2 R10.2 R15.2 R16.2 R21.1 R25.2 R26.1 R27.1 R28.2 R33.2 R38.1 R39.2 R40.1 R60.2 R66.2 R67.2 R74.2 R80.2 R81.2 R82.1 R83.1 TP1.1 U2.11 U2.28 U2.50 U2.75 U2.100 U10.8 U11.2 U11.5 U11.6 U11.8 U12.1 U12.14 U13.16 U14.3 U14.7 U14.8 Z1.1 Z1.2 | length 120.4
  Top Layer w0.2: Q10.1@39.905,99.094 40.149,98.85 41.375,98.85 R60.2@41.625,98.6 ; R25.2@44.375,111.2 R15.2@44.375,109.85 R16.2@45.825,109.85 ; v1(69.05,71.125) 69.05,69.85 69.825,69.075 70.45,69.075 R38.1@70.7,68.825 ; C20.2@70.1,94.3 70.15,94.3 71.25,95.4 71.25,95.45 71.5,95.7 R33.2@71.55,95.7 ; C55.1@81.225,113.45 83.425,113.45 v1(83.75,113.775) U11.5@84.975,113.775 U11.6@85.625,113.775 85.625,112.975 86.275,112.325 ; C60.1@84.9,67.25 84.95,67.3 v1(86.175,67.3) U13.16@87.767,67.3 ; FB1.2@85.95,72.525 v1@86.975,72.525 ; U11.2@86.275,111.725 86.275,112.325 ; U11.8@86.925,113.775 86.925,112.975 86.275,112.325 ; U14.3@88.092,57.9 v1(89.825,57.9) ; CN7.1@95.155,109.125 95.286,109.125 95.566,109.405 97.085,109.405 v1@97.988,108.503 ; U14.8@95.992,60.425 U14.8@95.292,60.425 U14.7@95.292,59.15 v1(96.975,59.15) C61.2@98.175,59.15 ; v1@97.975,108.49 v1@97.988,108.503 ; v1@97.995,108.495 v1@97.988,108.502 ; v1(100.575,88.275) 101.45,88.275 R82.1@101.675,88.05 ; v1(100.6,91.025) 101.4,91.025 R83.1@101.5,90.925 ; C58.1@102.425,82.375 C57.2@102.425,83.85 v1(104.751,83.85) ; U12.14@104.751,85.13 v1(104.751,83.85) ; U12.1@106.65,85.529 106.65,84.425 106.075,83.85 v1(104.751,83.85) ; U10.8@112.245,88.075 112.245,89.945 112.375,90.075 112.375,90.125 112.625,90.375 C56.2@112.675,90.375 112.725,90.375 113.825,91.475 113.825,91.525 114.075,91.775 R80.2@114.125,91.775 R81.2@115.575,91.775 ; R9.2@137.6,102.825 R8.2@139.05,102.825
  Top Layer w0.3: C22.2@65.725,75.825 65.725,77.325 65.925,77.525 66.101,77.525 66.725,77.525 67.15,77.95 U2.100@68.962,77.95 v1@68.962,76.538 ; C19.2@68.65,94.3 69.55,94.3 ; C20.2@70.1,94.3 69.55,94.3 ; U2.75@70.7,91.688 70.7,92.276 70.124,92.276 v1(69.55,92.85) 69.55,94.3 ; C13.2@73.5,72.575 C14.2@74.95,72.575 ; C14.2@74.925,72.575 74.925,74.15 75.7,74.925 U2.11@75.7,76.212 ; U2.28@84.438,78.95 86.4,78.95 87.075,78.275 C16.2@87.075,78.225 C15.2@87.075,76.775 ; U2.50@84.438,89.95 86.3,89.95 87.075,90.725 C17.2@87.075,90.775 ; Z1.1@87.85,97.2 87.85,97.389 v1(87.85,98.175) ; Z1.1@87.872,97.391 88.575,98.094 v1(88.575,98.175)
  Top Layer w0.5: v1(32.425,107.85) R10.2@33.7,107.85 33.7,107.9 33.4,108.2 Q2.2@33.4,109.475 ; v1(37.365,98.3) Q10.3@37.365,99.65 ; v1(38.635,98.3) Q10.2@38.635,99.65 ; v1(39.905,98.275) 39.905,99.094 Q10.1@39.905,99.65 ; R25.2@44.375,111.2 v1(45.1,111.2) R26.1@45.825,111.2 ; Q1.2@56.375,61 56.375,61.05 56.525,61.2 58.225,61.2 R7.1@58.325,61.3 ; R67.2@59.375,87.525 59.475,87.425 v1(60.1,87.425) 60.119,87.406 61.219,87.406 Q15.2@61.275,87.35 ; v1@59.425,83.125 R66.2@59.425,84 59.475,83.95 61.175,83.95 Q14.2@61.275,83.85 ; C17.2@87.075,90.775 C18.2@87.075,92.225 87.168,92.318 87.168,92.943 87.85,93.625 Z1.2@87.85,94.65 Z1.1@87.85,97.2 87.85,96.613 ; Q3.2@92.525,94.5 v1(92.525,93.65) 92.544,93.631 92.544,93.106 92.675,92.975 92.725,92.975 92.825,92.875 R21.1@92.825,92.825 ; v1(102.525,72.775) R2.2@102.525,73.675 ; v1(106,73.425) 106.748,74.173 R39.2@106.748,75.173 ; R39.2@106.8,75.175 106.888,75.262 106.888,76.512 Q5.2@106.975,76.6 ; R40.1@106.91,93.65 106.975,93.715 106.975,94.425 ; Q6.2@107.11,95.125 106.975,94.99 106.975,94.425 ; v1(108.075,94.425) 106.975,94.425 ; v1@112.075,79.19 112.075,78.075 112.55,77.6 113.425,77.6 114.375,76.65 Q16.2@114.375,76.6 114.275,76.5 114.275,75.25 R74.2@114.2,75.175
  Top Layer w1: TP1.1@67.05,57.5 F1.1@68.775,57.5
  Bottom Layer w0.2: R28.2@82.475,106.425 R27.1@83.925,106.425 ; CN7.1@95.155,107.875 95.286,107.875 95.566,107.595 97.085,107.595 v1@97.988,108.497 ; v1@97.975,108.51 v1@97.988,108.497 ; v1@97.995,108.505 v1@97.988,108.497
  other v1: 69.8,56.775 69.775,57.5 69.775,58.225 29.225,59.9 29.2,60.625 57.3,61.225 29.2,61.35 87,72.525 74.95,73.575 68.962,76.525 87.075,77.5 112.075,79.25 59.425,83.1 112.245,89.5 87.325,93.125 87.85,93.575 138.325,102.825 83.2,106.425 97.98,108.51
VDD_BLE: C53.2 C54.2 CN13.1 Q16.3 R75.1 R76.2 R78.2 R79.2 U8.9 U8.10 | length 95.9
  Top Layer w0.2: v1(110.225,103.925) 111.525,102.625 v1(119.525,102.625) ; CN13.1@118.905,109.125 119.036,109.125 119.316,109.405 120.835,109.405 v1@121.737,108.502 ; v1(121.725,108.49) v1@121.738,108.502 ; v1@121.745,108.495 v1@121.738,108.502 ; v1(124.675,109.4) 122.635,109.4 v1@121.738,108.502
  Top Layer w0.5: U8.10@109.075,62.025 106.775,62.025 106.775,63.025 U8.9@109.075,63.025 v1(110,63.025) ; Q16.3@113.475,78.6 113.543,78.532 114.518,78.532 118.7,74.35 v1(118.7,72.7)
  Internal 1 w0.2: v1(118.7,72.7) 119.525,73.525 v1(119.525,102.625)
  Internal 1 w0.5: v1(110,63.025) 118.681,71.706 118.681,72.681 v1(118.7,72.7)
  Bottom Layer w0.2: R76.2@106.225,106.425 R75.1@107.675,106.425 107.725,106.425 107.975,106.175 107.975,105.55 108.525,105 R79.2@110,105 110.225,104.775 v1(110.225,103.925) ; CN13.1@118.905,107.855 119.045,107.855 119.35,107.55 120.81,107.55 v1@121.75,108.49 ; v1(119.525,102.625) 120.05,103.15 123.475,103.15 125,104.675 125,104.75 R78.2@125.25,105 125.25,108.825 v1(124.675,109.4)
VDD_EXT: C45.1 R54.1 U5.29 U6.1 U7.1 | length 29.4
  Top Layer w0.2: R54.1@45.4,97.3 v1(45.4,96.4) 45.865,95.935 45.865,95.51 U6.1@45.875,95.5 ; C45.1@50.125,90.525 50.175,90.575 C45.1@50.175,90.6 ; C45.1@50.425,90.525 50.475,90.575 v1(52.275,90.575) 54.35,90.575 54.725,90.2 U7.1@55.075,90.2
  Top Layer w0.5: U5.29@45.32,80.97 U5.29@45.325,80.975 v1(46.5,80.975)
  Internal 1 w0.2: v1(45.4,96.4) 51.225,90.575 v1(52.275,90.575)
  Internal 1 w0.5: v1(46.5,80.975) 52.275,86.75 v1(52.275,90.575)
VDD_M1: M1.15 Q5.3 | length 3.6
  Top Layer w0.5: v1(103.265,76.8) 105.065,78.6 Q5.3@106.075,78.6
VDD_MODEM: C27.2 C32.2 C33.2 C34.1 C35.2 C36.2 C40.2 C41.2 C42.1 C43.2 C44.2 C46.1 C48.2 D8.1 Q10.5 Q10.6 Q10.7 Q10.8 R41.1 R58.1 R59.1 R62.1 U5.32 U5.33 U5.52 U5.53 U6.14 U7.14 | length 55.4
  Top Layer w0.2: C32.2@19.8,80.7 R41.1@19.8,84.375 ; U6.14@46.375,95.5 46.385,95.51 46.385,95.935 v1(46.85,96.4) ; v1@46.85,96.314 v1(46.85,96.4) ; C46.1@46.85,97.3 v1(46.85,96.4) ; v1(53.825,91.55) 53.85,91.575 55.225,91.575 55.575,91.225 U7.14@55.575,90.227 ; R59.1@56.65,80.75 v1(57.625,80.75) ; v1@58.25,75.5 R58.1@59.3,75.5 59.3,75.55 60.4,76.65 60.45,76.65 60.7,76.9 R62.1@60.7,76.95
  Top Layer w0.5: 36.095,92.205 Q10.5@36.095,94.35 ; Q10.6@37.325,94.31 Q10.6@37.365,94.35 37.365,92.36 ; 38.635,92.74 Q10.7@38.635,94.35 ; 39.905,92.63 Q10.8@39.905,94.35 ; C40.2@45.95,89.475 45.95,90.5 47.025,91.575 v1(51.675,91.575) 51.688,91.562 53.813,91.562 v1(53.825,91.55)
  Internal 1 w0.2: v1@46.862,96.388 v1(51.675,91.575) ; v1(53.825,91.55) 53.825,84.55 v1(57.625,80.75) 57.642,80.75 58.075,80.317 v1(58.075,75.5)
  Bottom Layer w0.2: D8.1@26.15,83.175 v1(27.3,83.175)
  other v1: 20.975,79.65 21.775,79.65 21.325,80.4 22.1,80.4 21.325,81.2 22.1,81.2 35.65,88.7 36.425,88.7 37.2,88.7 35.65,89.475 36.425,89.475 37.2,89.475
VDDA: C12.2 FB1.1 R36.2 U2.22 | length 7.7
  Top Layer w0.2: U2.22@81.2,76.212 81.2,74.825 C12.2@83.2,72.825 ; R36.2@81.8,71.075 81.8,71.125 82.9,72.225 82.95,72.225 83.2,72.475 C12.2@83.2,72.525 ; C12.2@83.2,72.575 C12.2@83.2,72.525 ; FB1.1@84.55,72.525 C12.2@83.2,72.525
VREF: C23.2 C24.2 R36.1 TP7.1 U2.21 | length 11.3
  Top Layer w0.2: U2.21@80.7,76.212 80.7,74.275 v1(81.05,73.925) ; TP7.1@83,67.675 R36.1@83,70.925 ; R36.1@83,70.875 R36.1@83.2,71.075 v1(83.875,71.075) C23.2@84.55,71.075
  Internal 1 w0.2: v1(81.05,73.925) 81.05,73.913 83.875,71.088 v1(83.875,71.075)
pads on no net: CN1. CN1.A2 CN1.A3 CN1.A5 CN1.A8 CN1.A10 CN1.A11 CN1.B2 CN1.B3 CN1.B5 CN1.B8 CN1.B10 CN1.B11 CN1.S1@30.752,113.515 CN1.S2@20.952,113.515 CN1.S3@29.852,110.165 CN1.S4@21.852,110.165 CN4.1 CN4.8 CN4.9 CN4.10 CN5.0 CN6.10 CN6.11 CN6.12 CN6.13 CN7.0 CN11.C6 CN13.0 FD1.0 FD2.0 FD3.0 H1. H2. LS1.0 SW1.4 U2.62 U2.83 U2.86 U3.C4 U3.C6 U3.C8 U3.NC U4.5 U5.2 U5.4 U5.5 U5.6 U5.7 U5.11 U5.12 U5.13 U5.14 U5.16 U5.18 U5.19 U5.24 U5.25 U5.26 U5.39 U5.40 U5.41 U5.42 U5.51 U5.56 U5.57 U5.63 U5.64 U5.65 U5.66 U5.76 U5.77 U5.78 U5.83 U5.84 U5.85 U5.86 U5.87 U5.88 U5.92 U5.93 U5.94 U5.95 U5.97 U5.98 U5.99 U6.0 U6.6 U6.9 U7.0 U7.6 U7.9 U8.16 U8.17 U8.18 U8.22 U8.23 U8.24 U8.25 U8.27 U8.28 U8.29 U8.31 U8.32 U8.33 U8.34 U8.35 U8.36 U8.37 U8.38 U8.39 U8.40 U8.41 U8.42 U8.43 U8.44 U8.45 U8.46 U8.51 U8.52 U8.54 U8.55 U9.7 U9.8 U9.13 U9.14 U9.18 U9.19 U12.3 U12.8 U12.13 U12.15 U12.16 Y1.2 Y1.4

## Polygon pours and split planes (outlines as drawn)
GND on Bottom Layer "Bottom GND" (solid, pour order 20): 9,53.5 120.975,53.5 120.975,99.875 122,100.9 146.1,100.9 146.1,116 9,116
GND on Internal 1 "Internal GND" (solid, pour order 21): 9,53.5 120.975,53.5 120.975,99.875 122,100.9 146.1,100.9 146.1,116 9,116
VDD on Internal 2 "Internal VDD" (solid, pour order 22): 9,53.5 121,53.5 121,99.9 122,100.9 146.1,100.9 146.1,116 9,116
GND on Top Layer "Top GND" (solid, pour order 16): 9,53.5 121,53.5 121,99.9 122,100.9 146.1,100.9 146.1,116 9,116

## Keep-outs
Keep-Out Layer:
  the board outline again, w0.1

## Other copper
Top Layer:
  region net VDD: 28.011,59.579 29.541,59.579 29.541,61.671 27.475,61.671 27.475,59.579
  region net VDD: 68.586,56.454 70.116,56.454 70.116,58.546 68.05,58.546 68.05,56.454
  region: 19.164,68.521 17.634,68.521 17.634,66.429 19.7,66.429 19.7,68.521
  region net VDD_MODEM: 19.15,73.725 19.15,81.75 22.175,81.75 22.495,81.43 23.975,81.43 23.975,79.4 22.5,79.4 20.525,77.425 20.525,73.725
  region net VDD_MODEM: 35.275,88.275 35.275,93.05 40.35,93.05 40.35,92.25 38.325,92.25 37.4,91.325 37.4,89.85 37.7,89.55 46.2,89.55 46.2,88.35 44.25,86.4 44.25,84.625 42.425,84.625 42.425,87.125 42.75,87.45 42.75,88 42.475,88.275 38.775,88.275
Internal 2:
  pour cut-out: 82.604,94.3 87.646,94.3 88.655,93.259 88.655,78.229 83.404,72.979 79.75,69.325 68.504,69.325 68.504,72.979 65.4,76.083 65.4,89.696 70.005,94.3 82.529,94.3 82.529,94.925 69.58,94.925 64.755,90.1 64.755,75.903 67.904,72.754 67.905,68.8 79.975,68.8 83.729,72.554 89.28,78.104 89.28,93.5 87.855,94.925 82.604,94.925
  region net VDD_MODEM: 20.5,79.125 22.2,79.125 24.3,81.225 33.65,81.225 37.575,85.15 37.575,89.85 35.275,89.85 35.275,88.275 31.675,84.675 23.45,84.675 20.5,81.725

## Silkscreen, mask and mechanical layers (free items; w line width, h text height)
Top Overlay:
  drawing of 7 lines, arcs and shapes, not listed
  text "LED3" at 73.325,107.675 h2
  text "LED1" at 63.525,107.65 h2
  text "LED2" at 68.35,107.65 h2
  text "QWIIC" at 37.175,107.025 h2
  text "USB C" at 23.475,105.85 h2
  text "TP5" at 73.75,102.4 h2 r90
  text "TP4" at 75.275,100.8 h2 r90
  text "TP8" at 44.275,97.625 h2 r90
  text "Z1" at 86.825,95.05 h2 r90
  text "PASS." at 10.475,93.25 h2
  text "TP2" at 57.275,92.7 h2 r90
  text "TP9" at 34.025,91.375 h2
  text "GPS" at 10.625,86.875 h2
  text "TP3" at 88.225,82.925 h2 r90
  text "ACT." at 10.625,80.5 h2
  text "TP6" at 69.475,70.225 h2 r90
  text "LTE" at 10.925,66.275 h2
  text "TP7" at 83.6,63.8 h2 r90
  text "TP11" at 34,58.275 h2 r90
  text "TP14" at 49.35,58.2 h2 r90
  text "TP12" at 36.5,58.125 h2 r90
  text "TP13" at 46,58.05 h2 r90
  text "TP10" at 31.425,58.025 h2 r90
  text "TP1" at 62.975,56.775 h2
  text "BLE" at 106.075,56.25 h2
Bottom Overlay:
  drawing of 12 lines, arcs and shapes, not listed
  text "BLE" at 108.8,104.075 h2
  text "CPU" at 86.375,103.925 h2
  text "SIM" at 28.35,90.75 h2 r90
  text "MODULE M1" at 92.875,83.6 h2 r270
  text "MICROSD CARD" at 28.425,77.575 h2 r90
  text "BATT" at 95.975,60.275 h2 r90
  text "BATT" at 32.55,60.25 h2 r90
Top Solder:
  rectangle: 108.125,53.5 108.975,54.7
  region: 63.026,116 62.176,116 62.176,114.8 63.026,114.8
  rectangle: 77.649,114.8 78.499,116
  rectangle: 145.25,114.8 146.1,116
  lines w1.2: 62.425,115.4 9.6,115.4 9.6,54.1 108.375,54.1 ; 78.25,115.375 145.5,115.404
  text "SIL" at 13.7,112.325 h2
  text "S3220B" at 12.375,110.375 h2
  text "2022" at 13.425,108.375 h2
Bottom Solder:
  rectangle: 108.125,53.5 108.975,54.7
  rectangle: 145.25,114.8 146.1,116
  lines w1.2: 108.375,54.1 9.6,54.1 9.6,115.4 145.5,115.4
  text "SIL" at 15.9,112.35 h2
  text "S3220B" at 17.475,110.4 h2
  text "2022" at 16.375,108.425 h2
Mechanical 1:
  lines w0.05: 125,61.25 95,61.25 95,101.25 125,101.25 ; 125,61.25 125,101.25 ; 125,61.25 165,61.25 165,101.25 125,101.25
Mechanical 15:
  lines w0.05: 131.825,105 135.825,105 135.825,109 131.825,109 131.825,105 ; 136.275,105 140.275,105 140.275,109 136.275,109 136.275,105 ; 140.725,105 144.725,105 144.725,109 140.725,109 140.725,105

## Text inside footprints (layer, text, board x,y; h text height)
AN1: Mechanical 13 "Keep Clear" at 120.39,56.13 h1.52
M1: Bottom Overlay "(SDA) IO1" at 105.265,89.557 h1.78 r270; Bottom Overlay "IO8   (RST)" at 115.425,78.83 h1.78 r270; Bottom Overlay "IO9   (CS)" at 112.885,78.83 h1.78 r270; Bottom Overlay "IO11 (MISO)" at 107.805,78.83 h1.78 r270; Bottom Overlay "IO10 (SCK)" at 110.345,78.83 h1.78 r270; Bottom Overlay "IO12 (MOSI)" at 105.265,78.83 h1.78 r270; Bottom Overlay "VDD" at 102.725,78.83 h1.78 r270; Bottom Overlay "GND" at 100.185,78.83 h1.78 r270; Bottom Overlay "(SCL) IO2" at 107.805,89.733 h1.78 r270; Bottom Overlay "(INT) IO5" at 115.425,90.267 h1.78 r270; Bottom Overlay "(RXD) IO4" at 112.885,89.469 h1.78 r270; Bottom Overlay "(TXD) IO3" at 110.345,89.647 h1.78 r270; Bottom Overlay "GND" at 100.185,93.323 h1.78 r270; Bottom Overlay "VCC" at 102.725,93.4 h1.78 r270; Bottom Overlay "IO7   (AN)" at 117.965,78.83 h1.78 r270; Bottom Overlay "(PWM) IO6" at 117.965,88.94 h1.78 r270
Z2: Bottom Overlay "PB" at 88.05,111.775 h2; Bottom Overlay "LED" at 84.7,111.775 h2; Bottom Overlay "RST" at 102.725,112.1 h2
Z5: Bottom Overlay "RST" at 126.475,112.1 h2; Bottom Overlay "LED" at 108.45,111.775 h2; Bottom Overlay "PB" at 111.8,111.775 h2